# KiCad board Boston-keyboard.kicad_pcb (continued)
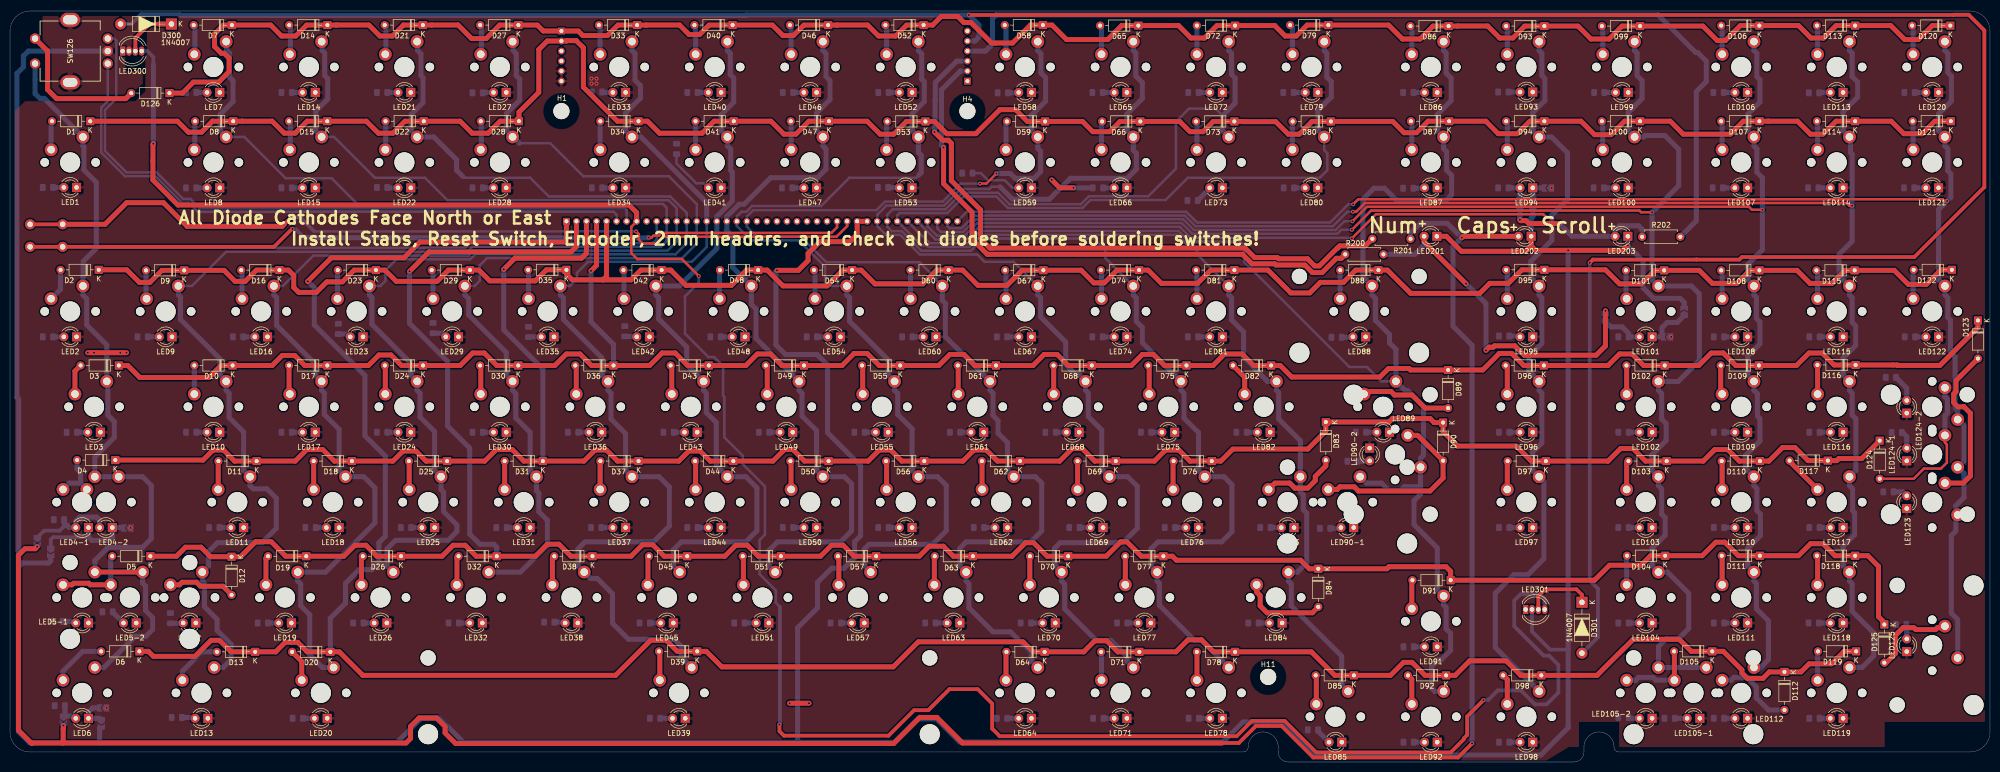
[diagram p0: board, top side]
## Routing (per net, layer and track width the routed paths; a pad name or vN(x,y) marks a point on that pad's centre or on a via; arc(x,y) is an arc through that point) (continued)
  Bottom w1: v1(98.5,98.4) 98.5,86.3 106.3,78.5 D31.1
Row6: length 494.9
  Top w1: v1(79.7,98) 83.59,101.89 111.91,101.89 113,102.98 J2.2 ; D5.1 33.2,41.1 35,42.9 38.1,42.9 40,41 D12.1 46,41 49,44 52.1,44 55,41.1 D19.1 66.6,41.1 68.8,43.3 71,43.3 73.2,41.1 D26.1 86.2,41.1 88.4,43.3 90.8,43.3 93,41.1 D32.1 104.8,41.1 107.2,43.5 109.5,43.5 111.9,41.1 D38.1 123.9,41.1 126.2,43.4 128.2,43.4 130.5,41.1 D45.1 142.6,41.1 144.8,43.3 147.1,43.3 149.3,41.1 D51.1 161.7,41.1 163.9,43.3 166.2,43.3 168.4,41.1 D57.1 181.4,41.1 183.4,43.1 186.2,43.1 188.2,41.1 D63.1 199.9,41.1 202.6,43.8 204.2,43.8 206.9,41.1 D70.1 218.7,41.1 221.6,44 222.8,44 225.7,41.1 D77.1 231.9,41.1 232.7,40.3 257.5,40.3 259.2,38.6 D84.1 274.7,38.6 275.1,39 286.5,39 287.4,38.1 D91.1 316.1,36.3 319.1,39.3 325.4,39.3 327.3,41.2 D104.1 337.6,41.2 340.3,43.9 342.1,43.9 344.8,41.2 D111.1 356.8,41.2 359.2,43.6 361.7,43.6 364.1,41.2 D118.1 370.64,41.2 372.76,39.08 372.76,29.02 373.93,27.85 D125.1
  Bottom w1: v1(79.7,98) 79.7,87.6 87.3,80 87.3,67.1 91.7,62.7 91.7,45.54 93.76,43.49 96.51,43.49 97.1,42.9 D32.1
Row7: length 521.4
  Top w1: D6.1 27.6,22.1 28.6,21.1 36.9,21.1 40.1,24.3 41.8,24.3 44.1,22 D13.1 53,22 54.9,23.9 57.4,23.9 59.3,22 D20.1 65.7,22 70.4,17.3 120.8,17.3 127.8,24.3 130.9,24.3 133.1,22.1 D39.1 138.9,22.1 142,19 176.2,19 181.2,24 202.1,24 204.1,22 D64.1 214.2,22 216.4,24.2 218.8,24.2 221,22 D71.1 232.6,22 235,24.4 237.7,24.4 240.1,22 D78.1 259.6,22 264.3,17.3 D85.1 275.4,17.3 278,19.9 279.7,19.9 282.3,17.3 D92.1 288.3,17.3 291.2,20.2 298.5,20.2 301.4,17.3 D98.1 316.6,17.3 323.8,24.5 333,24.5 335.4,22.1 D105.1 341.8,22.1 345.5,18.4 345.5,17.8 346.6,16.7 349.7,16.7 351,18 D112.1 357.3,18 358.9,19.6 363.4,19.6 365.9,22.1 D119.1 ; 59.5,96.1 v1(59.4,96) 64.11,100.71 78.6,100.71 81.76,103.87 111,103.87 J2.1
  Bottom w1: v1(59.4,96) 60.7,94.7 60.7,87.3 70.8,77.2 70.8,65.17 74.87,61.11 74.87,45.07 73.59,43.8 73.59,39.84 72.17,38.41 69.63,38.41 66.93,35.71 66.93,31.74 63.9,28.71 D20.1
SCRL_INDICATOR: length 31.6
  Top w1: v1(309.27,107.55) 303.02,107.55 302.45,108.12 301.35,108.12 301.23,108.25 v1(301.23,108.3)
  Bottom w1: 301.23,110.6 v1(301.23,108.3) ; R202.1 325.6,106.4 324.9,107.1 321.04,107.1 320.21,106.27 LED203.2 311.62,105 309.27,107.35 v1(309.27,107.55)
Net-(D1-Pad2): length 5.8
  Bottom w1: D1.2 8.19,127.8 SW1.2
Net-(D2-Pad2): length 6.5
  Bottom w1: SW2.2 10.08,94.43 D2.2
Net-(D3-Pad2): length 6.2
  Top w1: D3.2 12.95,78.07 SW3.2
Net-(D4-Pad2): length 10.6
  Bottom w1: 14.06,55.71 14.06,57.81 13.38,58.5 D4.2 ; 14.06,55.71 15.13,54.64 15.33,54.64 ; 14.06,55.71 11.84,55.71 SW4-1.2
Net-(D5-Pad2): length 15.6
  Top w1: SW5-1.2 12.37,35.39 12.68,35.7 15.7,35.7 16.01,35.39 SW5-2.2
  Bottom w1: D5.2 20.1,40.82 SW5-2.2
Net-(D6-Pad2): length 11.1
  Bottom w1: D6.2 14.5,22.1 10.57,18.17 SW6.2
Net-(D7-Pad2): length 5.9
  Bottom w1: 36.88,141.36 36.88,146.95 D7.2
Net-(D8-Pad2): length 5.7
  Bottom w1: D8.2 36.86,127.93 36.86,122.31
Net-(D9-Pad2): length 5.7
  Bottom w1: D9.2 27.13,92.65 SW9.2
Net-(D10-Pad2): length 5.7
  Top w1: 36.78,73.5 SW10.2
  Bottom w1: SW10.2 36.77,79.19 D10.2
Net-(D11-Pad2): length 5.7
  Top w1: SW11.2 41.53,60.05 D11.2
Net-(D12-Pad2): length 13.5
  Top w1: SW12.2 33.8,35.39 34.31,35.9 37.2,35.9 38,35.1 42.48,35.1 D12.2
Net-(D13-Pad2): length 10.3
  Bottom w1: D13.2 38.25,22 34.38,18.14 SW13.2
Net-(D14-Pad2): length 5.9
  Bottom w1: D14.2 55.93,146.95 55.93,141.36
Net-(D15-Pad2): length 5.8
  Bottom w1: 55.91,122.31 55.91,127.75 D15.2
Net-(D16-Pad2): length 5.8
  Bottom w1: D16.2 46.29,98.09 SW16.2
Net-(D17-Pad2): length 5.8
  Top w1: SW17.2 55.68,73.62 D17.2
Net-(D18-Pad2): length 5.7
  Top w1: D18.2 60.58,54.44 SW18.2
Net-(D19-Pad2): length 5.9
  Top w1: D19.2 51.05,40.67 SW19.2
Net-(D20-Pad2): length 6.5
  Top w1: SW20.2 58.2,20.08 D20.2
Net-(D21-Pad2): length 5.9
  Bottom w1: 74.98,141.36 74.98,146.95 D21.2
Net-(D22-Pad2): length 5.7
  Bottom w1: D22.2 74.96,127.95 74.96,122.31
Net-(D23-Pad2): length 5.7
  Bottom w1: D23.2 65.34,98.21 SW23.2
Net-(D24-Pad2): length 5.7
  Top w1: SW24.2 74.87,79.11 D24.2
Net-(D25-Pad2): length 5.7
  Top w1: SW25.2 79.63,60.05 D25.2
Net-(D26-Pad2): length 5.8
  Top w1: D26.2 70.1,40.82 SW26.2
Net-(D27-Pad2): length 5.9
  Bottom w1: 94.03,141.36 94.03,146.95 D27.2
Net-(D28-Pad2): length 5.7
  Bottom w1: D28.2 94.01,127.9 94.01,122.31
Net-(D29-Pad2): length 5.8
  Bottom w1: D29.2 84.39,97.99 SW29.2
Net-(D30-Pad2): length 5.8
  Top w1: D30.2 93.92,79.06 93.92,73.49
Net-(D31-Pad2): length 5.7
  Top w1: SW31.2 98.68,60.1 D31.2
Net-(D32-Pad2): length 5.8
  Top w1: SW32.2 89.15,40.77 D32.2
Net-(D33-Pad2): length 5.9
  Bottom w1: D33.2 117.73,146.95 SW33.2
Net-(D34-Pad2): length 5.7
  Bottom w1: D34.2 117.73,127.96 SW34.2
Net-(D35-Pad2): length 5.8
  Bottom w1: D35.2 103.44,98.24 SW35.2
Net-(D36-Pad2): length 5.8
  Top w1: SW36.2 112.97,79.02 D36.2
Net-(D37-Pad2): length 5.7
  Top w1: D37.2 117.73,60.05 SW37.2
Net-(D38-Pad2): length 5.9
  Top w1: SW38.2 108.2,40.72 D38.2
Net-(D39-Pad2): length 5.8
  Top w1: SW39.2 129.63,21.95 D39.2
Net-(D40-Pad2): length 5.9
  Bottom w1: SW40.2 136.78,146.95 D40.2
Net-(D41-Pad2): length 5.7
  Bottom w1: SW41.2 136.78,127.97 D41.2
Net-(D42-Pad2): length 5.8
  Bottom w1: SW42.2 122.49,98.14 D42.2
Net-(D43-Pad2): length 5.8
  Top w1: D43.2 132.01,78.97 SW43.2
Net-(D44-Pad2): length 5.7
  Top w1: D44.2 136.78,60 SW44.2
Net-(D45-Pad2): length 5.8
  Top w1: D45.2 127.25,40.87 SW45.2
Net-(D46-Pad2): length 5.9
  Bottom w1: SW46.2 155.83,146.95 D46.2
Net-(D47-Pad2): length 5.7
  Bottom w1: D47.2 155.83,127.92 SW47.2
Net-(D48-Pad2): length 5.7
  Bottom w1: D48.2 141.54,98.16 SW48.2
Net-(D49-Pad2): length 5.8
  Top w1: D49.2 151.06,78.91 SW49.2
Net-(D50-Pad2): length 5.7
  Top w1: D50.2 155.83,59.95 SW50.2
Net-(D51-Pad2): length 5.8
  Top w1: SW51.2 146.3,40.98 D51.2
Net-(D52-Pad2): length 5.9
  Bottom w1: D52.2 174.88,146.95 SW52.2
Net-(D53-Pad2): length 5.7
  Bottom w1: SW53.2 174.88,127.81 D53.2
Net-(D54-Pad2): length 5.8
  Bottom w1: D54.2 160.59,98.04 SW54.2
Net-(D55-Pad2): length 5.8
  Top w1: D55.2 170.12,79.06 SW55.2
Net-(D56-Pad2): length 5.7
  Top w1: D56.2 174.88,60 SW56.2
Net-(D57-Pad2): length 5.8
  Top w1: SW57.2 165.35,40.93 D57.2
Net-(D58-Pad2): length 5.9
  Bottom w1: D58.2 198.69,146.95 SW58.2
Net-(D59-Pad2): length 5.7
  Bottom w1: SW59.2 198.69,127.75 D59.2
Net-(D60-Pad2): length 5.7
  Bottom w1: SW60.2 179.64,98.24 D60.2
Net-(D61-Pad2): length 5.7
  Top w1: SW61.2 189.16,79.11 D61.2
Net-(D62-Pad2): length 5.7
  Top w1: D62.2 193.93,60.05 SW62.2
Net-(D63-Pad2): length 5.7
  Top w1: D63.2 184.4,41.02 SW63.2
Net-(D64-Pad2): length 5.7
  Top w1: SW64.2 198.69,21.91 D64.2
Net-(D65-Pad2): length 5.8
  Bottom w1: SW65.2 217.74,146.83 D65.2
Net-(D66-Pad2): length 5.7
  Bottom w1: D66.2 217.74,127.8 SW66.2
Net-(D67-Pad2): length 5.8
  Bottom w1: SW67.2 198.69,98.06 198.53,98.22
Net-(D68-Pad2): length 5.7
  Top w1: SW68.2 208.22,79.16 D68.2
Net-(D69-Pad2): length 5.7
  Top w1: D69.2 212.98,60.1 SW69.2
Net-(D70-Pad2): length 5.7
  Top w1: SW70.2 203.45,41.07 D70.2
Net-(D71-Pad2): length 5.8
  Top w1: 217.74,21.94 D71.2
  Bottom w1: SW71.2 217.74,21.94 D71.2
Net-(D72-Pad2): length 5.7
  Bottom w1: SW72.2 236.79,147.08 D72.2
Net-(D73-Pad2): length 5.7
  Bottom w1: D73.2 236.79,127.78 SW73.2
Net-(D74-Pad2): length 5.8
  Bottom w1: D74.2 217.74,98.14 SW74.2
Net-(D75-Pad2): length 5.8
  Top w1: D75.2 227.26,79.02 SW75.2
Net-(D76-Pad2): length 5.7
  Top w1: D76.2 232.03,60 SW76.2
Net-(D77-Pad2): length 5.7
  Top w1: D77.2 222.5,41.08 SW77.2
Net-(D78-Pad2): length 5.7
  Top w1: SW78.2 236.79,21.99 D78.2
Net-(D79-Pad2): length 6
  Bottom w1: SW79.2 255.84,146.73 D79.2
Net-(D80-Pad2): length 5.7
  Bottom w1: D80.2 255.84,127.9 SW80.2
Net-(D81-Pad2): length 5.8
  Bottom w1: D81.2 236.79,98.09 SW81.2
Net-(D82-Pad2): length 6.7
  Top w1: SW82.2 246.31,76.86 D82.2
Net-(D83-Pad2): length 15.8
  Top w1: D83.2 262.5,59.15 260.4,57.05 260.4,56.2 258.9,54.7 256.3,54.7 255.29,55.71 252.35,55.71 SW83.2
Net-(D84-Pad2): length 17.2
  Top w1: SW84.2 248.7,33.95 249.4,33.25 249.4,31.2 250.8,29.8 259.82,29.8 D84.2
Net-(D85-Pad2): length 5.8
  Top w1: SW85.2 260.6,17.18 D85.2
Net-(D86-Pad2): length 5.7
  Bottom w1: D86.2 279.65,146.72 SW86.2
Net-(D87-Pad2): length 5.8
  Bottom w1: D87.2 279.65,127.82 SW87.2
Net-(D88-Pad2): length 5.7
  Bottom w1: D88.2 265.37,98.23 SW88.2
Net-(D89-Pad2): length 18
  Top w1: D89.2 282.32,70.68 279.7,73.3 276.2,73.3 275.5,74 270.81,74 270.81,73.49
Net-(D90-Pad2): length 37.2
  Top w1: SW90-1.2 264.78,54.44 265.34,55 265.37,54.96 268.18,54.96 269.02,54.12 283.3,54.12 285.9,56.72 D90.2 280.85,65.23 SW90-2.2
Net-(D91-Pad2): length 5.7
  Top w1: D91.2 279.65,36.17 SW91.2
Net-(D92-Pad2): length 6
  Top w1: D92.2 279.65,16.53 SW92.2
Net-(D93-Pad2): length 5.7
  Bottom w1: SW93.2 298.7,146.77 D93.2
Net-(D94-Pad2): length 5.8
  Bottom w1: SW94.2 298.7,127.77 D94.2
Net-(D95-Pad2): length 5.9
  Bottom w1: D95.2 298.7,98.08 SW95.2
Net-(D96-Pad2): length 5.8
  Top w1: SW96.2 298.7,78.88 D96.2
Net-(D97-Pad2): length 5.7
  Top w1: D97.2 298.7,60.02 SW97.2
Net-(D98-Pad2): length 6.1
  Top w1: SW98.2 298.7,16.48 D98.2
Net-(D99-Pad2): length 5.7
  Bottom w1: D99.2 317.75,146.82 SW99.2
Net-(D100-Pad2): length 5.8
  Bottom w1: D100.2 317.75,127.82 SW100.2
Net-(D101-Pad2): length 5.7
  Bottom w1: D101.2 322.38,92.67 SW101.2
Net-(D102-Pad2): length 5.7
  Top w1: SW102.2 322.51,79.16 D102.2
Net-(D103-Pad2): length 5.8
  Top w1: D103.2 322.51,59.73 SW103.2
Net-(D104-Pad2): length 5.9
  Top w1: 322.51,41.13 D104.2
  Bottom w1: D104.2 322.51,41.13 SW104.2
Net-(D105-Pad2): length 15.8
  Top w1: D105.2 332.04,22.04 SW105-1.2
  Bottom w1: SW105-1.2 328.36,16.34 327.8,16.9 324.87,16.9 324.31,16.34 SW105-2.2
Net-(D106-Pad2): length 5.8
  Bottom w1: SW106.2 341.56,146.91 D106.2
Net-(D107-Pad2): length 5.8
  Bottom w1: D107.2 341.56,127.81 SW107.2
Net-(D108-Pad2): length 5.7
  Bottom w1: SW108.2 341.56,98.02 D108.2
Net-(D109-Pad2): length 5.8
  Top w1: D109.2 341.28,73.78 SW109.2
Net-(D110-Pad2): length 5.7
  Top w1: SW110.2 341.56,60.02 D110.2
Net-(D111-Pad2): length 5.8
  Top w1: D111.2 341.56,41.12 SW111.2
Net-(D112-Pad2): length 16.7
  Bottom w1: SW112.2 343.36,16.34 343.92,16.9 346.5,16.9 348.4,15 348.4,12.8 350.82,10.38 D112.2
Net-(D113-Pad2): length 5.8
  Bottom w1: D113.2 360.62,146.96 SW113.2
Net-(D114-Pad2): length 5.7
  Bottom w1: D114.2 360.62,127.86 SW114.2
Net-(D115-Pad2): length 5.8
  Bottom w1: D115.2 360.62,97.97 SW115.2
Net-(D116-Pad2): length 5.8
  Top w1: SW116.2 360.62,79.27 D116.2
Net-(D117-Pad2): length 8.1
  Top w1: D117.2 355.02,60.04 SW117.2
Net-(D118-Pad2): length 5.9
  Top w1: D118.2 360.62,41.06 SW118.2
Net-(D119-Pad2): length 5.9
  Top w1: 360.62,22.03 D119.2
  Bottom w1: SW119.2 360.62,22.03 D119.2
Net-(D120-Pad2): length 5.8
  Bottom w1: SW120.2 379.67,146.91 D120.2
Net-(D121-Pad2): length 5.7
  Bottom w1: D121.2 379.67,127.91 SW121.2
Net-(D122-Pad2): length 6
  Top w1: 379.67,98.19 D122.2
  Bottom w1: D122.2 379.67,98.19 SW122.2
Net-(D123-Pad2): length 33.2
  Top w1: SW123.2 389.67,55.71 391.1,57.14 391.1,69.68 389.82,70.95 388.56,70.95 387.76,71.74 387.76,73.52 388.24,73.99 388.24,76.22 D123.2
Net-(D124-Pad2): length 30.3
  Top w0.5: SW124-1.2 386.01,63.78 386.4,63.4 386.4,59.8 385.2,58.6 381.8,58.6 379.78,56.58 D124.2
  Bottom w1: SW124-1.2 386.01,69.19 386.53,69.71 386.53,72.45 386.01,72.96 SW124-2.2
Net-(D125-Pad2): length 17.6
  Top w1: SW125.2 385.68,26.8 384.48,26.8 384.13,26.45 380.21,26.45 379.83,26.83 377.65,26.83 376.11,25.29 376.11,21.65 374.3,19.84 D125.2
Net-(D126-Pad2): length 29.1
  Top w1: SW126.S2 7.5,142 7.5,134.3 9.3,132.5 23.08,132.5 D126.2
Net-(D300-Pad1): length 11
  Top w0.75: 29.7,147.4 27.8,147.4 25,144.6 LED300.3
  Top w1: D300.1 29.7,147.4
Net-(D301-Pad1): length 13.9
  Top w0.75: 304.9,30.46 304.9,33.15 306.25,34.5 312.5,34.5 313.6,33.4 D301.1
Net-(J2-Pad28): length 165.3
  Top w0.5: J2.28 165,106.82 163.86,105.68 129.97,105.68 129.44,105.15 128.4,105.15 128,104.75 v1(127.43,104.75)
  Top w0.75: v1(56.35,106.49) 56.25,106.49 52.66,102.9 SW200.2 SW200.2
  Bottom w0.75: v1(56.35,106.49) 56.92,106.49 58.6,104.81
  Bottom w1: 58.6,104.81 61.02,104.81 61.12,104.71 127.39,104.71 v1(127.43,104.75)
Net-(J2-Pad29): length 172.8
  Top w0.5: J2.29 167,107.05 164.88,104.93 130.28,104.93 128.9,103.55 126.22,103.55 125.44,104.33 125.44,105.43 v1(124.9,105.97)
  Top w0.75: 56.19,108.89 v1(56.13,108.84) 54.7,107.4 ; SW200.1 SW200.1
  Top w1: SW200.1 18.96,107.4 23.27,111.71 30.61,111.71 35.32,107 54.3,107 54.7,107.4
  Bottom w0.5: 60.64,106.02 60.69,105.97 v1(124.9,105.97)
  Bottom w0.75: 60.64,106.02 57.83,108.84 v1(56.13,108.84)
Net-(J3-Pad2): length 117.8
  Top w1: R200.2 265.58,100.6 264.61,100.6 261.77,97.76 259.83,97.76 258.33,99.26 252.57,99.26 252.33,99.5 247.78,99.5 245.88,101.4 195.2,101.4 194.96,101.4 191.92,104.44 191.92,109.82 186.24,115.5 v1(186.24,122.75)
  Bottom w1: J3.2 189.57,138 185.84,134.27 185.84,123.15 v1(186.24,122.75)
Net-(J3-Pad3): length 126.6
  Top w1: v1(184.43,125.82) 186.06,124.19 187.2,124.19 187.8,123.59 187.8,116.11 193.62,110.29 193.62,104.51 195.48,102.65 246.4,102.65 248.3,100.75 252.85,100.75 253.09,100.51 258.85,100.51 260.27,99.09 261.22,99.09 264.78,102.65 264.85,102.65 265.3,103.1 270.38,103.1 R201.2
  Bottom w1: v1(184.43,125.82) 184.43,126.39 184.55,126.51 184.55,132.19 184.59,132.23 184.59,135.72 188.87,140 J3.3
Net-(J3-Pad4): length 194.4
  Bottom w1: R202.2 336.4,108.08 336.4,133.9 338.4,135.9 338.4,140 336.7,141.7 336.3,141.7 328.78,149.22 196.72,149.22 196,148.5 196,143.4 194.6,142 J3.4
Net-(JP4-1-Pad1): length 19.1
  Bottom w0.75: R4.2 10.78,47.08 9.9,46.2 6.8,46.2 JP4-1.1
  Bottom w1: R4.2 10.78,47.7 11.12,47.35 11.31,47.35 11.84,46.82 LED4-1.2 13.11,48.09 13.94,48.92 17.3,48.92 17.87,48.35 LED4-2.2
Net-(JP4-2-Pad1): length 20.6
  Bottom w0.75: JP4-2.1 8.12,44.42 8.6,44.9 15.63,44.9 15.65,44.92
  Bottom w1: 22.42,46.73 22.33,46.82 LED4-2.1 20.41,44.92 19.76,44.27 16.3,44.27 15.65,44.92 LED4-1.1
Net-(JP6-1-Pad1): length 4.8
  Bottom w1: R6.2 10.95,9.45 JP6-1.1 12.66,9.17 LED6.2
Net-(JP6-2-Pad1): length 6.1
  Bottom w1: 17.55,10.8 16.5,10.8 15.65,9.95 LED6.1 17.95,8.72 JP6-2.1
Net-(JP94-1-Pad1): length 4.7
  Bottom w1: JP94-1.1 301.23,114.67 LED94.2 R94.2
Net-(JP94-2-Pad1): length 4.4
  Bottom w1: JP94-2.1 303.82,114.64 LED94.1 305.76,114.69 305.8,114.65
Net-(JP101-1-Pad1): length 8.6
  Bottom w1: JP101-1.1 319.38,86.9 321.62,86.9 322.9,85.62 R101.2 LED101.2
Net-(JP101-2-Pad1): length 9.3
  Bottom w1: LED101.1 329.55,84.92 329.57,84.9 329.57,86.77 330.6,87.8 332.62,87.8 JP101-2.1
Net-(LED1-Pad2): length 2.1
  Bottom w1: R1.2 LED1.2
Net-(LED2-Pad2): length 2.1
  Bottom w1: R2.2 LED2.2
Net-(LED3-Pad2): length 2.2
  Bottom w1: R3.2 LED3.2
Net-(LED5-1-Pad2): length 2.8
  Bottom w1: R5-1.2 12.79,28.09 LED5-1.2
Net-(LED5-2-Pad2): length 3.1
  Bottom w1: R5-2.2 20.49,29.92 LED5-2.2
Net-(LED7-Pad2): length 2.1
  Bottom w1: LED7.2 37.16,133.74
Net-(LED8-Pad2): length 2.1
  Bottom w1: LED8.2 37.16,114.69
Net-(LED9-Pad2): length 2.3
  Bottom w1: R9.2 LED9.2
Net-(LED10-Pad2): length 2.1
  Bottom w1: LED10.2 37.16,65.87
Net-(LED11-Pad2): length 2.3
  Bottom w1: LED11.2 R11.2
Net-(LED12-Pad2): length 2.6
  Bottom w1: R12.2 34.47,27.7 LED12.2
Net-(LED13-Pad2): length 2.7
  Bottom w1: R13.2 36.77,8.88 LED13.2
Net-(LED14-Pad2): length 2.1
  Bottom w1: LED14.2 R14.2
Net-(LED15-Pad2): length 2.1
  Bottom w1: LED15.2 R15.2
Net-(LED16-Pad2): length 2.3
  Bottom w1: R16.2 LED16.2
Net-(LED17-Pad2): length 2.1
  Bottom w1: LED17.2 R17.2
Net-(LED18-Pad2): length 2.1
  Bottom w1: LED18.2 R18.2
Net-(LED19-Pad2): length 2.1
  Bottom w1: R19.2 LED19.2
Net-(LED20-Pad2): length 2.3
  Bottom w1: R20.2 LED20.2
Net-(LED21-Pad2): length 2.1
  Bottom w1: LED21.2 75.25,133.74
Net-(LED22-Pad2): length 2.2
  Bottom w1: LED22.2 75.33,114.69 75.25,114.77
Net-(LED23-Pad2): length 2.6
  Bottom w1: LED23.2 67.32,85.48 R23.2
Net-(LED24-Pad2): length 2.1
  Bottom w1: 75.25,65.87 LED24.2
Net-(LED25-Pad2): length 2.2
  Bottom w1: LED25.2 R25.2
Net-(LED26-Pad2): length 2.1
  Bottom w1: R26.2 LED26.2
Net-(LED27-Pad2): length 2.2
  Bottom w1: R27.2 94.38,133.74 LED27.2
Net-(LED28-Pad2): length 2.1
  Bottom w1: LED28.2 R28.2
Net-(LED29-Pad2): length 2.8
  Bottom w1: R29.2 86.21,85.64 LED29.2
Net-(LED30-Pad2): length 2.1
  Bottom w1: R30.2 LED30.2
Net-(LED31-Pad2): length 2.2
  Bottom w1: LED31.2 R31.2
Net-(LED32-Pad2): length 2.1
  Bottom w1: R32.2 LED32.2
Net-(LED33-Pad2): length 2.2
  Bottom w1: R33.2 118.2,133.74 LED33.2
Net-(LED34-Pad2): length 2.1
  Bottom w1: R34.2 LED34.2
Net-(LED35-Pad2): length 2.6
  Bottom w1: LED35.2 103.51,84.92 R35.2
Net-(LED36-Pad2): length 2.1
  Bottom w1: R36.2 LED36.2
Net-(LED37-Pad2): length 2.3
  Bottom w1: LED37.2 R37.2
Net-(LED38-Pad2): length 2.2
  Bottom w1: LED38.2 110.58,27.93 R38.2
Net-(LED39-Pad2): length 2.5
  Bottom w1: R39.2 LED39.2
Net-(LED40-Pad2): length 2.1
  Bottom w1: R40.2 LED40.2
Net-(LED41-Pad2): length 10.3
  Bottom w0.5: R41.2 132.97,119.53 136.91,115.59 138.42,115.59 LED41.2
Net-(LED42-Pad2): length 2.4
  Bottom w1: R42.2 124.94,85.01 LED42.2
Net-(LED43-Pad2): length 2.2
  Bottom w1: R43.2 134.56,65.87
Net-(LED44-Pad2): length 2.1
  Bottom w1: R44.2 LED44.2
Net-(LED45-Pad2): length 2.2
  Bottom w1: R45.2 LED45.2
Net-(LED46-Pad2): length 2.2
  Bottom w1: R46.2 LED46.2
Net-(LED47-Pad2): length 2.3
  Bottom w1: R47.2 LED47.2
Net-(LED48-Pad2): length 2.3
  Bottom w1: LED48.2 R48.2
Net-(LED49-Pad2): length 2.1
  Bottom w1: 153.6,65.87 R49.2
Net-(LED50-Pad2): length 2.2
  Bottom w1: LED50.2 R50.2
Net-(LED51-Pad2): length 2.3
  Bottom w1: R51.2 LED51.2
Net-(LED52-Pad2): length 2.1
  Bottom w1: LED52.2 R52.2
Net-(LED53-Pad2): length 2.3
  Bottom w1: LED53.2 177.34,114.77 R53.2
Net-(LED54-Pad2): length 2.2
  Bottom w1: R54.2 LED54.2
Net-(LED55-Pad2): length 2.2
  Bottom w1: LED55.2 R55.2
Net-(LED56-Pad2): length 2.1
  Bottom w1: LED56.2 R56.2
Net-(LED57-Pad2): length 2.2
  Bottom w1: R57.2 LED57.2
Net-(LED58-Pad2): length 2.2
  Bottom w1: LED58.2 201.15,133.66 R58.2
Net-(LED59-Pad2): length 10.4
  Bottom w0.5: LED59.2 199.96,114.69 198.45,116.19 195.11,116.19 193.68,117.62 R59.2
Net-(LED60-Pad2): length 2.2
  Bottom w1: LED60.2 R60.2
Net-(LED61-Pad2): length 2.2
  Bottom w1: LED61.2 R61.2
Net-(LED62-Pad2): length 2.2
  Bottom w1: LED62.2 R62.2
Net-(LED63-Pad2): length 2.3
  Bottom w1: LED63.2 R63.2
Net-(LED64-Pad2): length 2.3
  Bottom w1: LED64.2 R64.2
Net-(LED65-Pad2): length 2.3
  Bottom w1: R65.2 LED65.2
Net-(LED66-Pad2): length 2.2
  Bottom w1: R66.2 LED66.2
Net-(LED67-Pad2): length 2.3
  Bottom w1: LED67.2 R67.2
Net-(LED68-Pad2): length 2.2
  Bottom w1: LED68.2 208.6,65.87
Net-(LED69-Pad2): length 2.2
  Bottom w1: LED69.2 R69.2
Net-(LED70-Pad2): length 2.3
  Bottom w1: R70.2 LED70.2
Net-(LED71-Pad2): length 2.2
  Bottom w1: R71.2 LED71.2
Net-(LED72-Pad2): length 2.2
  Bottom w1: LED72.2 R72.2
Net-(LED73-Pad2): length 3.5
  Bottom w1: LED73.2 239.33,114.53 R73.2
Net-(LED74-Pad2): length 2.3
  Bottom w1: LED74.2 R74.2
Net-(LED75-Pad2): length 2.2
  Bottom w1: LED75.2 R75.2
Net-(LED76-Pad2): length 2.2
  Bottom w1: R76.2 LED76.2
Net-(LED77-Pad2): length 2.1
  Bottom w1: R77.2 LED77.2
Net-(LED78-Pad2): length 2.2
  Bottom w1: R78.2 LED78.2
Net-(LED79-Pad2): length 2.3
  Bottom w1: LED79.2 R79.2
Net-(LED80-Pad2): length 2.2
  Bottom w1: R80.2 LED80.2
Net-(LED81-Pad2): length 2.3
  Bottom w1: LED81.2 R81.2
Net-(LED82-Pad2): length 2.1
  Bottom w1: LED82.2 R82.2
Net-(LED83-Pad2): length 2.2
  Bottom w1: R83.2 LED83.2
Net-(LED84-Pad2): length 2.2
  Bottom w1: R84.2 LED84.2
Net-(LED85-Pad2): length 3.6
  Bottom w1: R85.2 260.95,6.15 LED85.2 262.98,4.12
Net-(LED86-Pad2): length 2.2
  Bottom w1: LED86.2 R86.2
Net-(LED87-Pad2): length 2.3
  Bottom w1: R87.2 282.11,114.61 LED87.2
Net-(LED88-Pad2): length 2.3
  Bottom w1: LED88.2 267.83,84.84 R88.2
Net-(LED89-Pad2): length 2.2
  Bottom w1: LED89.2 R89.2
Net-(LED90-1-Pad2): length 2.2
  Bottom w1: R90-1.2 265.37,46.66 LED90-1.2
Net-(LED90-2-Pad2): length 2.4
  Bottom w1: R90-2.2 271.16,60.08 LED90-2.2
Net-(LED91-Pad2): length 2.1
  Bottom w1: R91.2 LED91.2
Net-(LED92-Pad2): length 2.1
  Bottom w1: LED92.2 R92.2
Net-(LED93-Pad2): length 2.3
  Bottom w1: LED93.2 R93.2
Net-(LED95-Pad2): length 2.2
  Bottom w1: LED95.2 301.08,85.08 R95.2
Net-(LED96-Pad2): length 2.2
  Bottom w1: R96.2 LED96.2
Net-(LED97-Pad2): length 2.2
  Bottom w1: LED97.2 R97.2
Net-(LED98-Pad2): length 2.2
  Bottom w1: LED98.2 R98.2
Net-(LED99-Pad2): length 2.2
  Bottom w1: LED99.2 R99.2
Net-(LED100-Pad2): length 2.3
  Bottom w1: R100.2 LED100.2
Net-(LED102-Pad2): length 2.2
  Bottom w1: LED102.2 R102.2
Net-(LED103-Pad2): length 2.2
  Bottom w1: R103.2 LED103.2
Net-(LED104-Pad2): length 2.2
  Bottom w1: R104.2 LED104.2
Net-(LED105-1-Pad2): length 2.5
  Bottom w1: LED105-1.2 R105-1.2
Net-(LED105-2-Pad2): length 2.2
  Bottom w1: LED105-2.2 323.06,8.72 R105-2.2
Net-(LED106-Pad2): length 2.2
  Bottom w1: LED106.2 R106.2
Net-(LED107-Pad2): length 2.4
  Bottom w1: R107.2 LED107.2
Net-(LED108-Pad2): length 2.2
  Bottom w1: R108.2 LED108.2
Net-(LED109-Pad2): length 2.2
  Bottom w1: LED109.2 R109.2
Net-(LED110-Pad2): length 2.2
  Bottom w1: R110.2 LED110.2
Net-(LED111-Pad2): length 2.2
  Bottom w1: R111.2 LED111.2
Net-(LED112-Pad2): length 2.2
  Bottom w1: R112.2 LED112.2
Net-(LED113-Pad2): length 2.3
  Bottom w1: R113.2 361,133.74 LED113.2
Net-(LED114-Pad2): length 2.4
  Bottom w1: R114.2 LED114.2
Net-(LED115-Pad2): length 2.1
  Bottom w1: R115.2 LED115.2
Net-(LED116-Pad2): length 2.1
  Bottom w1: LED116.2 R116.2
Net-(LED117-Pad2): length 2.1
  Bottom w1: R117.2 LED117.2
Net-(LED118-Pad2): length 2.3
  Bottom w1: R118.2 LED118.2
Net-(LED119-Pad2): length 2.1
  Bottom w1: LED119.2 R119.2
Net-(LED120-Pad2): length 2.2
  Bottom w1: R120.2 LED120.2
Net-(LED121-Pad2): length 2.3
  Bottom w1: LED121.2 R121.2
Net-(LED122-Pad2): length 2.1
  Bottom w1: 380.06,84.92 LED122.2
Net-(LED123-Pad2): length 3
  Bottom w1: LED123.2 377.6,53.96 R123.2
Net-(LED124-1-Pad2): length 3.6
  Bottom w1: LED124-1.2 378.39,65 377.6,65.8 R124-1.2
Net-(LED124-2-Pad2): length 5.5
  Bottom w1: LED124-2.2 378.39,74.67 R124-2.2
Net-(LED125-Pad2): length 2.9
  Bottom w1: R125.2 378.39,27.37 LED125.2

## Copper pours and planes (outline as drawn; the poured copper is in the pictures)
+3V3 on Bottom: 392,149 394,147 394,5 392,3 311,3 306,0 259,0 254,3 4,3 1,6 1,130 3,132 25,132 27,134 27,146 30,149
GND on Top: 27,141.5 23,141.5 23,138 26.5,138 26.5,135.5 23.5,133 6.5,133 6.5,149 27,149
GND on Bottom: 27,141.5 23.5,141.5 23.5,138 26.5,138 26.5,135.5 23.5,133 6.5,133 6.5,149 27,149
LED_switch on Top: 392,149 394,147 394,5 392,3 311,3 306,0 259,0 254,3 4,3 1,6 1,130 3,132 25,132 27,134 27,146 30,149
LED_switch on Bottom: 118,135 109.5,135 109.5,138.5 118,138.5

## Text on the board
B.SilkS: Stepped | Non-stepped | https://github.com/bluepylons/Boston | Powered by the Acheron Library | ANSI | ISO | 1u | 2u | 1u+ | 2u+ | → | Ctrl | Esc | Tilde | Shift | Tab | Caps | ISO  |\ | 1 | Win | P1 | F1 | Q | ~ | A | 2 | Z | P2 | F2 | W | Alt | S | 3 | X | P3 | F3 | E | D | 4 | C | P4 | F4 | R | Boston - V0.4 | F | 5 | V | T | P5 | F5 | G | 6 | Space | B | Y | P6 | F6 | H | 7 | N | U | P7 | F7 | J | 8 | M | I | P8 | F8 | K | 9 | < | O | L | F9 | P9 | 0 | > | P | ; | Menu | F10 | P10 | - | ? | ] | ' | F11 | # | P11 | = | [ | F12 | P12 | Left | Enter | BkSpc | \ | Down | PrtSc | Up | P13 | P14 | P17 | P18 | P16 | Pause | P15 | Num | Ins | Del | / | 00 | Home | End | * | . | PgDn | + | PgUp | Right | Scroll
F.SilkS: + | All Diode Cathodes Face North or East | Install Stabs, Reset Switch, Encoder, 2mm headers, and check all diodes before soldering switches! | Num | Caps | Scroll
